# KiCad board panel.kicad_pcb (continued)
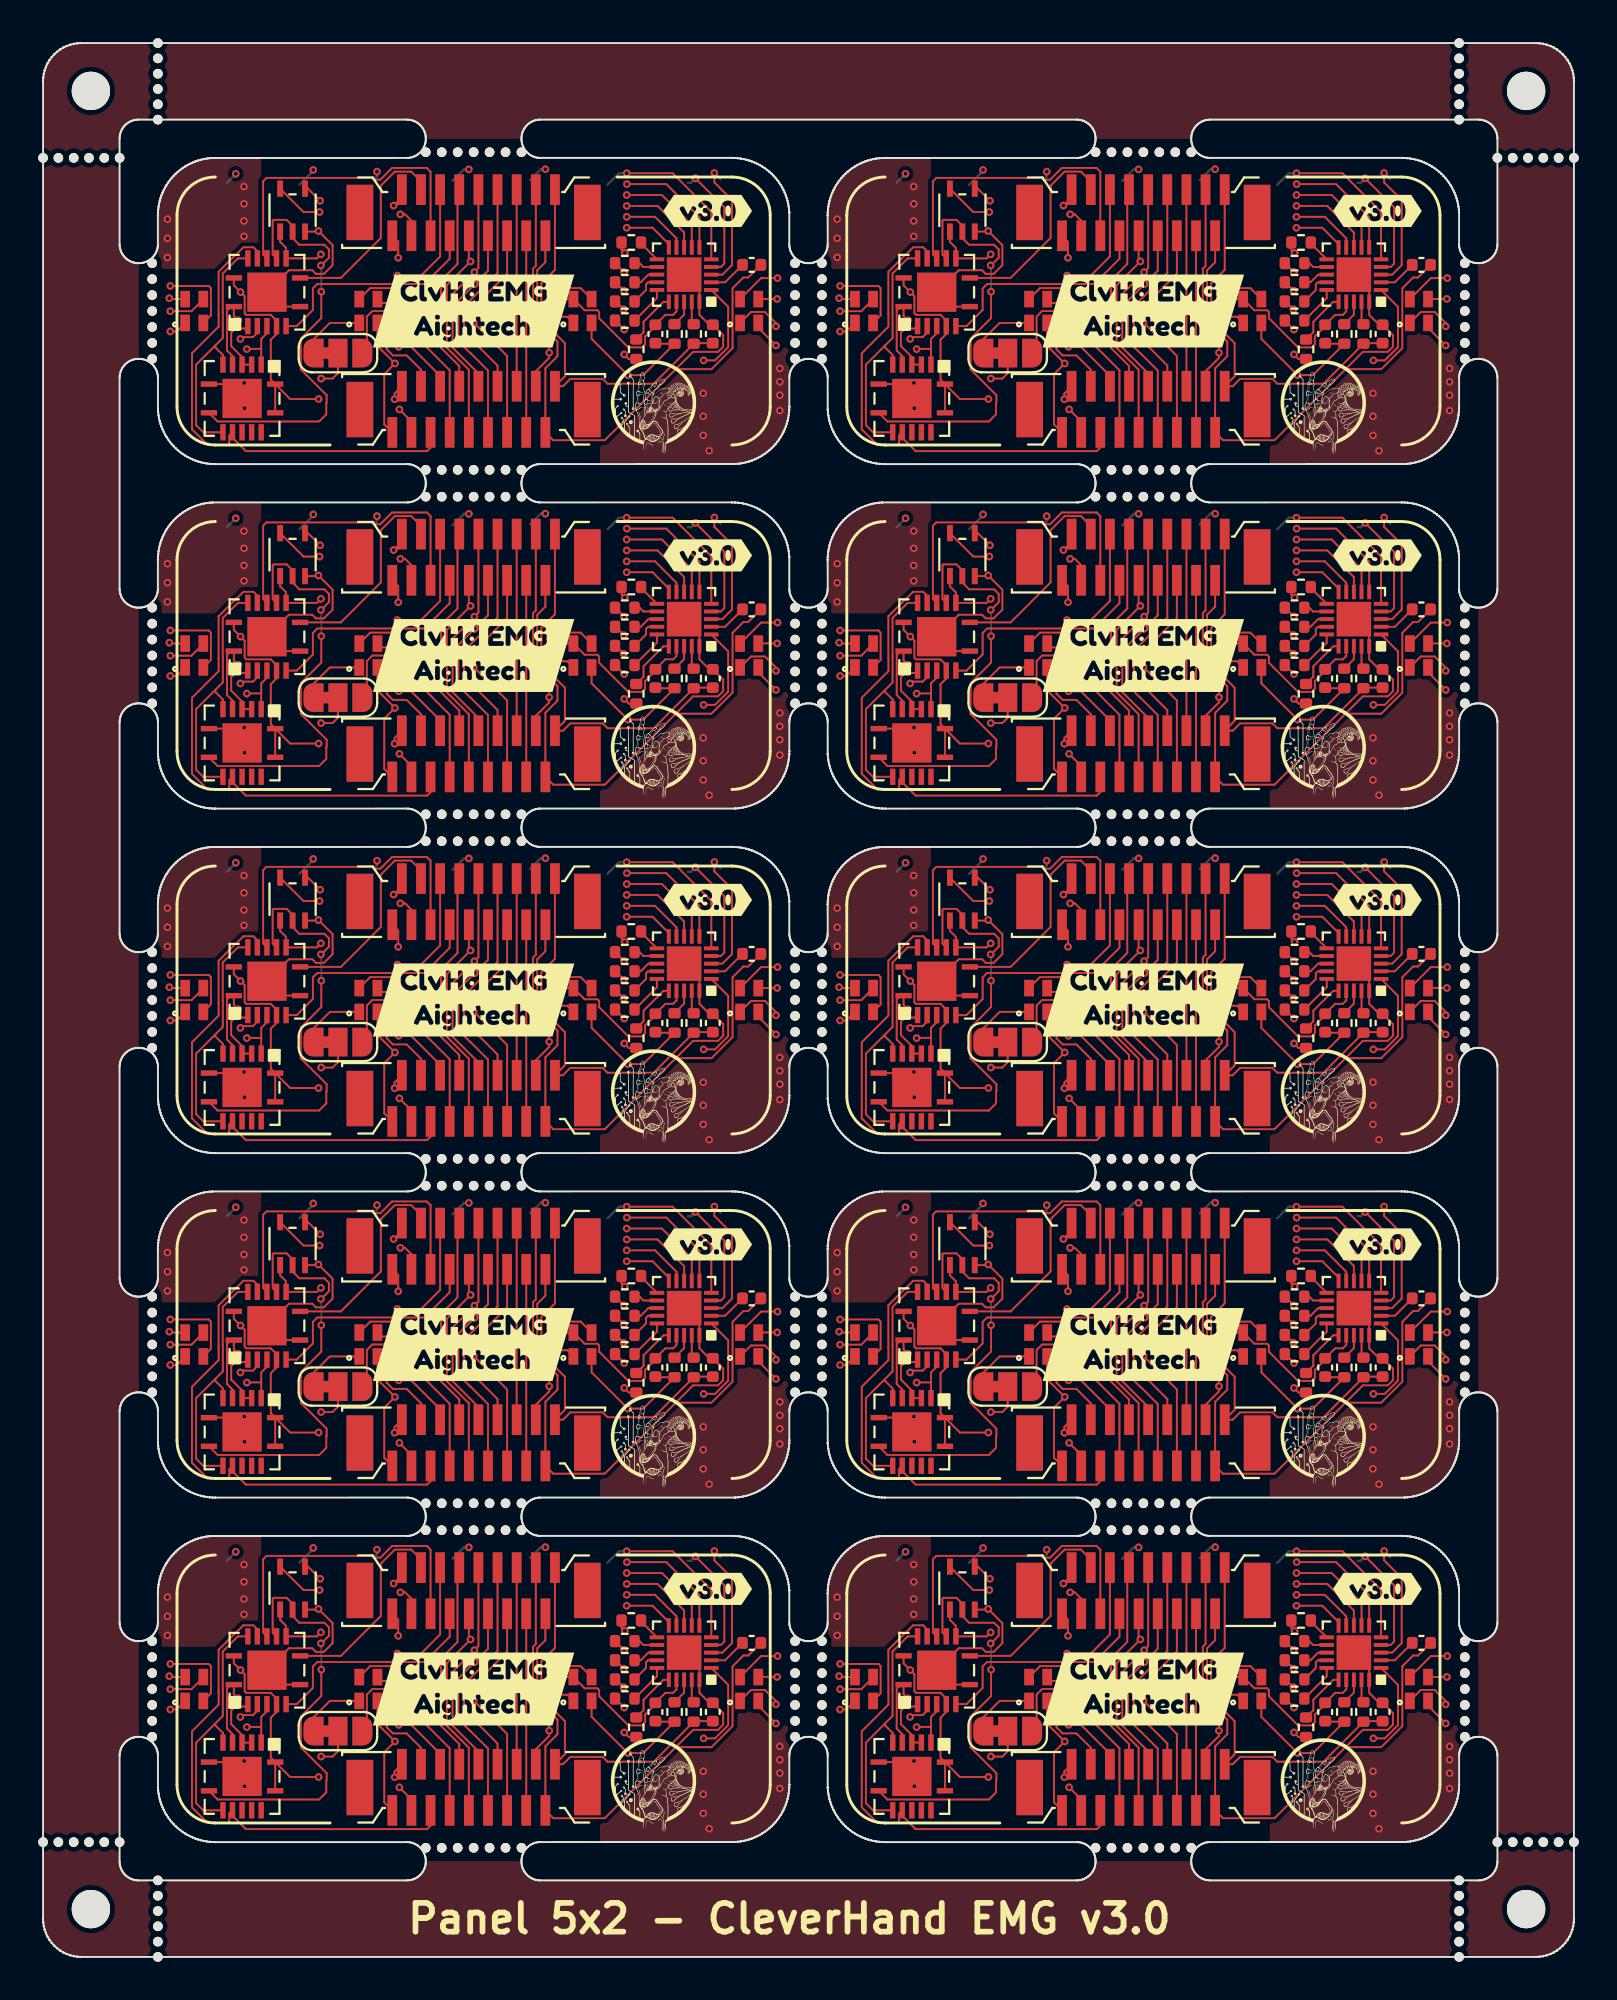
[diagram p0: board, top side]
## Routing (per net, layer and track width the routed paths; a pad name or vN(x,y) marks a point on that pad's centre or on a via; arc(x,y) is an arc through that point) (continued)
Board_5-+3.3VA: length 20.7
  Front w0.1: C1#2.2 69.03,48.32 R7#3.2 66.91,46.2 64.5,46.2 64.25,46.45 62.55,46.45 62.17,46.07 J1#10.18 62.27,46.59 62.27,48.32 61.04,49.55 61.04,51.44 61.75,52.15 J2#9.1
Board_5-/A0: length 17.8
  Front w0.1: J1#10.7 56.25,46.9 54.45,48.7 v1(53.43,48.7) ; 46.4,48.02 45.66,48.02 v1(45.65,48.01) ; 46.4,48.02 46.4,48.54 46.7,48.84 U2#10.4 ; 46.4,48.02 U4.2
  In2.Cu w0.1: v1(53.43,48.7) 51.45,48.7 50.85,48.1 45.74,48.1 v1(45.65,48.01)
Board_5-/A1: length 18.5
  Front w0.1: v1(53.59,48.13) 54.24,48.13 55.75,46.62 J1#10.6 ; v1(45.2,49.51) 44.97,49.74 U2#10.1 44.82,50.23 44.61,50.02 44.61,47.94 44.9,47.65 U4.5
  In2.Cu w0.1: v1(53.59,48.13) 52.04,48.13 51.31,47.4 45.39,47.4 44.88,47.91 44.88,49.19 v1(45.2,49.51)
Board_5-/A2: length 26.6
  Front w0.1: J1#10.5 55.25,42.86 55.07,42.68 45.6,42.68 44.9,43.38 U4.10 44.73,43.49 44.73,43.05 44.68,43 43.6,43 42.78,43.82 42.78,47.79 44.18,49.19 44.18,49.85 44.17,49.85 44.17,52.05 45.09,52.97 45.11,52.97 45.47,53.33 45.99,53.33 46.2,53.12 U2#10.12
Board_5-/A3: length 16.2
  Front w0.1: v1(53.63,49.28) 53.25,49.28 53.21,49.24 53.21,49.24 52.96,48.99 52.96,48 53.28,47.68 54,47.68 54.75,46.93 J1#10.4 ; v1(49.52,52.96) 49.31,52.75 U2#10.9 47.7,53.3 47.39,53.61 47.39,54.01
  In2.Cu w0.1: v1(53.63,49.28) 53.58,49.23 50.03,49.23 49.02,50.24 49.02,52.47 49.51,52.96 v1(49.52,52.96)
Board_5-/carry0: length 3.4
  Front w0.1: U2#10.2 45.58,49.09 45.05,49.09 44.83,48.87 44.83,48.17 45.4,47.6 U4.4 U4.3
Board_5-/carry1: length 12.9
  Front w0.1: 44,48.2 44.39,48.59 44.39,49.94 44.39,49.94 44.39,51.96 45.18,52.75 U2#10.13 ; 44,48.2 44,48.1 44.4,47.7 U4.6 ; 44,48.2 43,47.2 43,44.03 43.37,43.66 U4.9
Board_5-/carry2: length 22.5
  Front w0.1: U2#10.10 47,52.95 47,54.71 47.05,54.76 47.73,54.76 48.04,54.45 48.04,54.01 ; U4.8 44.12,44.23 49.43,44.23 49.8,44.6 49.8,45.21 49.82,45.23 49.82,45.6 48.47,46.95 48.47,48.56 49.54,49.63 v1(49.54,51.01) ; v1(49.52,52.38) 49.53,52.38 49.94,52.79 49.94,53.22 49.7,53.46 48.39,53.46 48.04,53.81 U5#10.2
  Back w0.1: v1(49.54,51.01) 49.54,52.36 v1(49.52,52.38)
Board_5-/CH0: length 6.9
  Front w0.1: U1#7.3 70.5,51.9 71,52.4 71,55.8 70.08,56.72 v1(70.08,57.21)
  Back w0.127: v1(70.08,57.21) 70.4,56.89
Board_5-/CH1: length 6.3
  Front w0.1: v1(69.09,56.93) 70.6,55.42 70.6,52.47 70.43,52.3 U1#7.4
  Back w0.127: 68.7,56.7 68.86,56.7 v1(69.09,56.93)
Board_5-/CH2: length 9
  Front w0.1: U1#7.5 69.92,55.18 67.9,57.2 v1(65.5,57.2)
  Back w0.127: 64.5,56.6 65.1,57.2 v1(65.5,57.2)
Board_5-/CH3: length 11.7
  Front w0.1: U1#7.6 69.3,54.9 67.57,56.63 v1(65.51,56.63)
  In2.Cu w0.1: v1(65.51,56.63) 65.48,56.6 62.06,56.6 v1(61.25,57.41)
  Back w0.127: 60.45,56.85 61.01,57.41 v1(61.25,57.41)
Board_5-/CH4: length 15.2
  Front w0.1: v1(65.5,56.06) 67.34,56.06 68.9,54.5 U1#7.7
  In2.Cu w0.1: v1(65.5,56.06) 65.44,56 61.67,56 60.21,57.46 57.31,57.46 v1(57.25,57.4)
  Back w0.127: v1(57.25,57.4) 57,57.4 56.4,56.8
Board_5-/CH5: length 18.6
  Front w0.1: v1(65.5,55.49) 67.11,55.49 68.5,54.1 U1#7.8
  In2.Cu w0.1: v1(65.5,55.49) 65.41,55.4 61.8,55.4 60.24,56.96 52.77,56.96 v1(52.45,57.28)
  Back w0.127: 52.39,56.97 52.45,57.03 v1(52.45,57.28)
Board_5-/CH6: length 22.1
  Front w0.1: v1(65.5,54.92) 66.98,54.92 68.1,53.8 U1#7.9
  In2.Cu w0.1: v1(65.5,54.92) 65.38,54.8 61.6,54.8 59.66,56.74 49.75,56.74 v1(49.12,57.37)
  Back w0.127: 48.4,56.6 49.12,57.32 v1(49.12,57.37)
Board_5-/CH7: length 25.2
  Front w0.1: v1(65.5,54.35) 66.85,54.35 67.7,53.5 U1#7.10
  In2.Cu w0.1: v1(65.5,54.35) 65.35,54.2 61.25,54.2 58.92,56.53 49.17,56.53 48.4,57.3 45.2,57.3 v1(45.07,57.17)
  Back w0.127: v1(45.07,57.17) 44.6,56.7
Board_5-/CH_REF: length 24.4
  Front w0.1: J1#10.16 60.75,46.85 61.45,47.55 v1(61.45,47.82) 61.45,48.52 60.61,49.37 60.61,52.21 60.75,52.36 J2#9.3 ; U1#7.1 70.8,50.22 70.8,48.11 70.11,47.42 v1(69.52,47.42)
  In2.Cu w0.1: v1(61.45,47.82) 62.19,47.08 69.18,47.08 v1(69.52,47.42)
Board_5-/cs_adc: length 19
  Front w0.1: R6#9.2 65.23,53.2 v1(65.4,53.03) ; v1(49.48,55.76) 48.85,56.39 U5#10.4
  In2.Cu w0.1: v1(65.4,53.03) 65.05,53.38 56.15,53.38 53.6,55.93 53.15,55.93 52.82,55.6 49.64,55.6 v1(49.48,55.76)
Board_5-/IRQ: length 20.4
  Front w0.1: J2#9.6 59.25,51.95 57.5,50.2 v1(57.5,49.4) 59.25,47.65 J1#10.13 ; v1(65.37,49.03) 64.9,49.5 R2#6.2
  In2.Cu w0.1: v1(65.37,49.03) 65.2,49.2 57.7,49.2 v1(57.5,49.4)
Board_5-/MCLK: length 20.6
  Front w0.1: v1(65.37,47.73) 65.61,47.49 R1#6.2 ; J1#10.12 58.75,47.15 v1(57.5,48.4) 57,48.9 57,50.24 58.75,51.99 J2#9.7
  In2.Cu w0.1: v1(65.37,47.73) 64.7,48.4 v1(57.5,48.4)
Board_5-/NEO_IN: length 17.9
  Front w0.1: v1(53.62,44.86) 54.25,44.23 J1#10.3 ; D1#5.1 41.98,48.93 v1(41.65,48.93)
  In2.Cu w0.1: v1(41.65,48.93) 42.22,48.93 48.43,42.72 51.48,42.72 v1(53.62,44.86)
Board_5-/NEO_OUT: length 34.6
  Front w0.1: v1(53.67,55.05) 53.92,55.05 54.25,54.72 J2#9.16 ; JP1#3.3 51.92,48.01 51.92,49.71 52.21,50 53.03,50 53.19,49.84 v1(53.41,49.84) ; v1(73.36,50.63) 72.38,50.63 D4#7.3
  In2.Cu w0.1: v1(53.41,49.84) 52.96,50.29 52.96,51.27 53.1,51.41 54.1,51.41 54.49,51.8 54.49,54.23 v1(53.67,55.05) 55.53,53.19 63.54,53.19 64.16,52.57 65.97,52.57 67.89,50.65 73.34,50.65 v1(73.36,50.63)
Board_5-/S0: length 11.9
  Front w0.1: U2#10.6 48.26,49.21 49.1,50.05 49.1,51.18 49.33,51.41 54.93,51.41 56.25,52.73 J2#9.12
Board_5-/S1: length 19.1
  Front w0.1: v1(53.51,51.85) 54.75,51.85 55.75,52.85 J2#9.13 ; v1(45.31,48.54) 45.41,48.64 45.97,48.64 46.2,48.87 U2#10.3
  In2.Cu w0.1: v1(53.51,51.85) 51.97,53.39 49.1,53.39 46.15,50.44 46.15,49.1 45.59,48.54 v1(45.31,48.54)
Board_5-/S2: length 16.7
  Front w0.1: J2#9.14 55.25,57.28 55.05,57.47 53.24,57.47 52.62,56.86 52.28,56.86 52.18,56.95 46.67,56.95 46.5,56.78 46.5,52.95 U2#10.11
Board_5-/S3: length 10.9
  Front w0.1: J2#9.15 54.75,56.77 54.24,57.28 53.38,57.28 52.65,56.55 52.65,53.82 50.56,51.73 U2#10.8
Board_5-/SCK: length 20.2
  Front w0.1: v1(65.36,52.04) 64.9,52.5 R5#4.2 ; J2#9.10 57.25,52.68 v1(57.34,52.59) 56.1,51.35 56.1,48.08 57.25,46.93 J1#10.9
  In2.Cu w0.1: v1(57.34,52.59) 57.37,52.56 63.34,52.56 63.86,52.04 v1(65.36,52.04)
Board_5-/SDI: length 20.2
  Front w0.1: J2#9.9 57.75,52.24 v1(57.54,52.03) 56.4,50.89 56.4,48.09 57.75,46.74 J1#10.10 ; R4#10.2 64.91,51.5 v1(65.35,51.06)
  In2.Cu w0.1: v1(57.54,52.03) 63.37,52.03 64.34,51.06 v1(65.35,51.06)
Board_5-/SDO: length 20.5
  Front w0.1: J1#10.11 58.25,46.89 57.34,47.8 57.33,47.8 56.7,48.43 56.7,50.55 v1(57.56,51.41) 58.25,52.1 J2#9.8 ; v1(65.34,50.09) 64.93,50.5 R3#8.2
  In2.Cu w0.1: v1(57.56,51.41) 62.72,51.41 64.04,50.09 v1(65.34,50.09)
Board_5-GND: length 29.1
  Front w0.1: U4.15 45.4,46.13 v1(45.51,46.24) ; U4.15 44.65,46.18 U4.7 ; U4.15 45.4,45.05 v1(45.53,44.92) ; v1(73.38,51.72) 72.52,51.72 71.42,50.62 ; v1(53.5,50.99) 53.3,51.19 52.1,51.19 D2#8.4 ; v1(61.5,50.3) 61.82,50.62 62.72,50.62 63.3,50.04 63.97,50.04 64.06,49.95 64.06,49.62 65.58,48.1 66.3,48.1 66.46,48.26 66.46,48.67 67,49.21 C2#7.2 67.52,49.8 67.93,49.8 68.1,49.97 U1#7.17 ; D1#5.4 41.64,50.62 v1(41.6,50.67) ; J1#10.2 53.37,45.69 v1(53.37,45.39) ; U5#10.3 49.36,54.15 v1(49.39,54.18) 50.13,53.44 50.13,52.4 49.67,51.94 49.26,51.94 49.07,52.13 47.85,52.13 U2#10.15 47.45,50.23 48.11,50.23 ; v1(53.32,55.51) 53.75,55.94 J2#9.17
  vias: v1(41.5,54.8) v1(41.5,53.8) v1(41.5,52.8) v1(45.5,56.5) v1(45.5,55.6) v1(45.5,54.7) v1(45.5,53.9) v1(69.5,45.7) v1(69.5,44.5) v1(69.5,43.5) v1(69.81,42.7) v1(73.5,47) v1(73.5,46.3) v1(73.5,45.6) v1(73.5,44.8)
Board_5-GNDA: length 35.9
  Front w0.1: J2#9.2 61.25,52.55 60.82,52.12 60.82,49.46 61.88,48.4 61.88,47.64 61.25,47.01 J1#10.17 61.66,43.25 64.35,43.25 68.97,47.87 70.27,47.87 70.54,48.13 70.54,48.74 C1#2.1 69.82,49.28 69.3,49.8 U1#7.20 69.3,51.1 U1#7.21 ; 68.08,46.96 69.93,46.96 71.03,48.06 71.03,51.19 71.6,51.75 71.85,51.75 C3#9.2
Board_5-Net-(D1-Pad3): length 13.4
  Front w0.1: v1(41.65,49.99) 42.76,49.99 43.38,50.61 D1#5.3 ; JP1#3.2 50.41,46.75 50.13,46.47 v1(49.53,46.47)
  In2.Cu w0.1: v1(41.65,49.99) 44.98,46.66 49.34,46.66 v1(49.53,46.47)
Board_5-Net-(D2-Pad1): length 3.5
  Front w0.1: JP1#3.1 49.11,48.5 49.99,49.38 D2#8.1
Board_5-Net-(D2-Pad3): length 10.8
  Front w0.1: v1(61.5,49.7) 62.39,49.7 62.72,49.38 ; v1(53.61,50.42) 52.68,50.42 D2#8.3
  In2.Cu w0.1: v1(61.5,49.7) 61.2,50 54.03,50 v1(53.61,50.42)
Board_5-Net-(D3-Pad3): length 18.2
  Front w0.1: 71.42,49.38 72,49.95 72.72,49.95 73.3,49.37 v1(73.3,49.2) ; D3#10.3 63.09,51.19 61.79,51.19 v1(61.5,50.9)
  In2.Cu w0.1: v1(61.5,50.9) 62.88,49.52 66.14,49.52 66.98,50.36 72.14,50.36 v1(73.3,49.2)
Board_5-Net-(J1-Pad8): length 11.1
  Front w0.1: J1#10.8 56.75,47.12 55.8,48.07 55.8,51.6 56.66,52.46 56.66,56.25 J2#9.11
Board_5-Net-(J1-Pad14): length 10.3
  Front w0.1: J1#10.14 J2#9.5
Board_5-Net-(J1-Pad15): length 10.3
  Front w0.1: J1#10.15 J2#9.4
Board_5-Net-(R1-Pad1): length 2.8
  Front w0.1: R1#6.1 66.38,48.89 66.38,49.44 67.42,50.48 U1#7.16
Board_5-Net-(R2-Pad1): length 2.1
  Front w0.1: R2#6.1 67.08,50.67 U1#7.15
Board_5-Net-(R3-Pad1): length 1.8
  Front w0.1: U1#7.14 66.62,51.5 66.51,51.39 66.51,51.1 R3#8.1
Board_5-Net-(R4-Pad1): length 1.3
  Front w0.1: R4#10.1 66.23,51.5 66.63,51.9 U1#7.13
Board_5-Net-(R5-Pad1): length 1.3
  Front w0.1: U1#7.12 66.37,52.3 66.17,52.5 R5#4.1
Board_5-Net-(R6-Pad1): length 1.2
  Front w0.1: U1#7.11 66.25,53.53 R6#9.1
Board_5-Net-(R7-Pad1): length 1.2
  Front w0.1: R7#3.1 68.9,49.41 U1#7.19
Board_5-Net-(R8-Pad1): length 1.4
  Front w0.1: U1#7.18 68.5,49.81 R8#6.1
Board_5-Net-(U1-Pad2): length 2
  Front w0.1: U1#7.2 70.64,51.5 C3#9.1
Board_6-+3.3V: length 77.7
  Front w0.1: v1(14.45,37.17) 13.61,37.17 U5#7.5 ; U4#3.1 U4#3.14 ; U4#3.1 12.91,27.4 v1(14.4,27.4) ; U4#3.1 11.9,28.41 11.9,30.5 12.2,30.8 12.2,31.5 11.9,31.8 10.62,31.8 10.53,31.88 10.53,32.78 v1(10.32,32.99) 9.97,33.34 U2#5.14 ; D2#5.2 17.48,30.17 v1(18.39,29.26) 17.83,28.7 17.83,26.08 J1#7.1 ; J2#5.18 18.56,35.62 v1(18.56,34.78) ; v1(38.3,30.2) 37.35,31.15 37.35,31.35 ; C2#3.1 32.03,30.29 R8#2.2 31.36,28.65 v1(30.56,28.65) 28.66,30.55 28.66,31.38 ; D1.2 8.77,31.77 8.77,33.19 8.66,33.31 v1(6.65,33.31)
  In2.Cu w0.1: v1(14.4,27.4) 16.53,27.4 v1(18.39,29.26) 18.39,28.09 19.36,27.12 29.3,27.12 30.56,28.38 v1(30.56,28.65) 30.58,28.63 36.73,28.63 v1(38.3,30.2) ; v1(6.65,33.31) 10,33.31 v1(10.32,32.99) 10.32,33.04 v1(14.45,37.17) 16.17,37.17 v1(18.56,34.78)
Board_6-+3.3VA: length 20.7
  Front w0.1: C1#10.2 34.03,30.32 R7#6.2 31.91,28.2 29.5,28.2 29.25,28.45 27.55,28.45 27.17,28.07 J1#7.18 27.27,28.59 27.27,30.32 26.04,31.55 26.04,33.44 26.75,34.15 J2#5.1
Board_6-/A0: length 17.8
  Front w0.1: J1#7.7 21.25,28.9 19.45,30.7 v1(18.43,30.7) ; 11.4,30.02 10.66,30.02 v1(10.65,30.01) ; 11.4,30.02 11.4,30.54 11.7,30.84 U2#5.4 ; 11.4,30.02 U4#3.2
  In2.Cu w0.1: v1(18.43,30.7) 16.45,30.7 15.85,30.1 10.74,30.1 v1(10.65,30.01)
Board_6-/A1: length 18.5
  Front w0.1: v1(18.59,30.13) 19.24,30.13 20.75,28.62 J1#7.6 ; v1(10.2,31.51) 9.97,31.74 U2#5.1 9.82,32.23 9.61,32.02 9.61,29.94 9.9,29.65 U4#3.5
  In2.Cu w0.1: v1(18.59,30.13) 17.04,30.13 16.31,29.4 10.39,29.4 9.88,29.91 9.88,31.19 v1(10.2,31.51)
Board_6-/A2: length 26.6
  Front w0.1: J1#7.5 20.25,24.86 20.07,24.68 10.6,24.68 9.9,25.38 U4#3.10 9.73,25.49 9.73,25.05 9.68,25 8.6,25 7.78,25.82 7.78,29.79 9.18,31.19 9.18,31.85 9.17,31.85 9.17,34.05 10.09,34.97 10.11,34.97 10.47,35.33 10.99,35.33 11.2,35.12 U2#5.12
Board_6-/A3: length 16.2
  Front w0.1: v1(18.63,31.28) 18.25,31.28 18.21,31.24 18.21,31.24 17.96,30.99 17.96,30 18.28,29.68 19,29.68 19.75,28.93 J1#7.4 ; v1(14.52,34.96) 14.31,34.75 U2#5.9 12.7,35.3 12.39,35.61 12.39,36.01
  In2.Cu w0.1: v1(18.63,31.28) 18.58,31.23 15.03,31.23 14.02,32.24 14.02,34.47 14.51,34.96 v1(14.52,34.96)
Board_6-/carry0: length 3.4
  Front w0.1: U2#5.2 10.58,31.09 10.05,31.09 9.83,30.87 9.83,30.17 10.4,29.6 U4#3.4 U4#3.3
Board_6-/carry1: length 12.9
  Front w0.1: 9,30.2 9.39,30.59 9.39,31.94 9.39,31.94 9.39,33.96 10.18,34.75 U2#5.13 ; 9,30.2 9,30.1 9.4,29.7 U4#3.6 ; 9,30.2 8,29.2 8,26.03 8.37,25.66 U4#3.9
Board_6-/carry2: length 22.5
  Front w0.1: U2#5.10 12,34.95 12,36.71 12.05,36.76 12.73,36.76 13.04,36.45 13.04,36.01 ; U4#3.8 9.12,26.23 14.43,26.23 14.8,26.6 14.8,27.21 14.82,27.23 14.82,27.6 13.47,28.95 13.47,30.56 14.54,31.63 v1(14.54,33.01) ; v1(14.52,34.38) 14.53,34.38 14.94,34.79 14.94,35.22 14.7,35.46 13.39,35.46 13.04,35.81 U5#7.2
  Back w0.1: v1(14.54,33.01) 14.54,34.36 v1(14.52,34.38)
Board_6-/CH0: length 6.9
  Front w0.1: U1#8.3 35.5,33.9 36,34.4 36,37.8 35.08,38.72 v1(35.08,39.21)
  Back w0.127: v1(35.08,39.21) 35.4,38.89
Board_6-/CH1: length 6.3
  Front w0.1: v1(34.09,38.93) 35.6,37.42 35.6,34.47 35.43,34.3 U1#8.4
  Back w0.127: 33.7,38.7 33.86,38.7 v1(34.09,38.93)
Board_6-/CH2: length 9
  Front w0.1: U1#8.5 34.92,37.18 32.9,39.2 v1(30.5,39.2)
  Back w0.127: 29.5,38.6 30.1,39.2 v1(30.5,39.2)
Board_6-/CH3: length 11.7
  Front w0.1: U1#8.6 34.3,36.9 32.57,38.63 v1(30.51,38.63)
  In2.Cu w0.1: v1(30.51,38.63) 30.48,38.6 27.06,38.6 v1(26.25,39.41)
  Back w0.127: 25.45,38.85 26.01,39.41 v1(26.25,39.41)
Board_6-/CH4: length 15.2
  Front w0.1: v1(30.5,38.06) 32.34,38.06 33.9,36.5 U1#8.7
  In2.Cu w0.1: v1(30.5,38.06) 30.44,38 26.67,38 25.21,39.46 22.31,39.46 v1(22.25,39.4)
  Back w0.127: v1(22.25,39.4) 22,39.4 21.4,38.8
Board_6-/CH5: length 18.6
  Front w0.1: v1(30.5,37.49) 32.11,37.49 33.5,36.1 U1#8.8
  In2.Cu w0.1: v1(30.5,37.49) 30.41,37.4 26.8,37.4 25.24,38.96 17.77,38.96 v1(17.45,39.28)
  Back w0.127: 17.39,38.97 17.45,39.03 v1(17.45,39.28)
Board_6-/CH6: length 22.1
  Front w0.1: v1(30.5,36.92) 31.98,36.92 33.1,35.8 U1#8.9
  In2.Cu w0.1: v1(30.5,36.92) 30.38,36.8 26.6,36.8 24.66,38.74 14.75,38.74 v1(14.12,39.37)
  Back w0.127: 13.4,38.6 14.12,39.32 v1(14.12,39.37)
Board_6-/CH7: length 25.2
  Front w0.1: v1(30.5,36.35) 31.85,36.35 32.7,35.5 U1#8.10
  In2.Cu w0.1: v1(30.5,36.35) 30.35,36.2 26.25,36.2 23.92,38.53 14.17,38.53 13.4,39.3 10.2,39.3 v1(10.07,39.17)
  Back w0.127: v1(10.07,39.17) 9.6,38.7
Board_6-/CH_REF: length 24.4
  Front w0.1: J1#7.16 25.75,28.85 26.45,29.55 v1(26.45,29.82) 26.45,30.52 25.61,31.37 25.61,34.21 25.75,34.36 J2#5.3 ; U1#8.1 35.8,32.22 35.8,30.11 35.11,29.42 v1(34.52,29.42)
  In2.Cu w0.1: v1(26.45,29.82) 27.19,29.08 34.18,29.08 v1(34.52,29.42)
Board_6-/cs_adc: length 19
  Front w0.1: R6#6.2 30.23,35.2 v1(30.4,35.03) ; v1(14.48,37.76) 13.85,38.39 U5#7.4
  In2.Cu w0.1: v1(30.4,35.03) 30.05,35.38 21.15,35.38 18.6,37.93 18.15,37.93 17.82,37.6 14.64,37.6 v1(14.48,37.76)
Board_6-/IRQ: length 20.4
  Front w0.1: J2#5.6 24.25,33.95 22.5,32.2 v1(22.5,31.4) 24.25,29.65 J1#7.13 ; v1(30.37,31.03) 29.9,31.5 R2#9.2
  In2.Cu w0.1: v1(30.37,31.03) 30.2,31.2 22.7,31.2 v1(22.5,31.4)
Board_6-/MCLK: length 20.6
  Front w0.1: v1(30.37,29.73) 30.61,29.49 R1#2.2 ; J1#7.12 23.75,29.15 v1(22.5,30.4) 22,30.9 22,32.24 23.75,33.99 J2#5.7
  In2.Cu w0.1: v1(30.37,29.73) 29.7,30.4 v1(22.5,30.4)
Board_6-/NEO_IN: length 17.9
  Front w0.1: v1(18.62,26.86) 19.25,26.23 J1#7.3 ; 7.42,31.38 6.98,30.93 v1(6.65,30.93)
  In2.Cu w0.1: v1(6.65,30.93) 7.22,30.93 13.43,24.72 16.48,24.72 v1(18.62,26.86)
Board_6-/NEO_OUT: length 34.6
  Front w0.1: v1(18.67,37.05) 18.92,37.05 19.25,36.72 J2#5.16 ; JP1#6.3 16.92,30.01 16.92,31.71 17.21,32 18.03,32 18.19,31.84 v1(18.41,31.84) ; v1(38.36,32.63) 37.38,32.63 D4#5.3
  In2.Cu w0.1: v1(18.41,31.84) 17.96,32.29 17.96,33.27 18.1,33.41 19.1,33.41 19.49,33.8 19.49,36.23 v1(18.67,37.05) 20.53,35.19 28.54,35.19 29.16,34.57 30.97,34.57 32.89,32.65 38.34,32.65 v1(38.36,32.63)
Board_6-/S0: length 11.9
  Front w0.1: U2#5.6 13.26,31.21 14.1,32.05 14.1,33.18 14.33,33.41 19.93,33.41 21.25,34.73 J2#5.12
Board_6-/S1: length 19.1
  Front w0.1: v1(18.51,33.85) 19.75,33.85 20.75,34.85 J2#5.13 ; v1(10.31,30.54) 10.41,30.64 10.97,30.64 11.2,30.87 U2#5.3
  In2.Cu w0.1: v1(18.51,33.85) 16.97,35.39 14.1,35.39 11.15,32.44 11.15,31.1 10.59,30.54 v1(10.31,30.54)
Board_6-/S2: length 16.7
  Front w0.1: J2#5.14 20.25,39.28 20.05,39.47 18.24,39.47 17.62,38.86 17.28,38.86 17.18,38.95 11.67,38.95 11.5,38.78 11.5,34.95 U2#5.11
Board_6-/S3: length 10.9
  Front w0.1: J2#5.15 19.75,38.77 19.24,39.28 18.38,39.28 17.65,38.55 17.65,35.82 15.56,33.73 U2#5.8
Board_6-/SCK: length 20.2
  Front w0.1: v1(30.36,34.04) 29.9,34.5 R5#6.2 ; J2#5.10 22.25,34.68 v1(22.34,34.59) 21.1,33.35 21.1,30.08 22.25,28.93 J1#7.9
  In2.Cu w0.1: v1(22.34,34.59) 22.37,34.56 28.34,34.56 28.86,34.04 v1(30.36,34.04)
Board_6-/SDI: length 20.2
  Front w0.1: J2#5.9 22.75,34.24 v1(22.54,34.03) 21.4,32.89 21.4,30.09 22.75,28.74 J1#7.10 ; R4#7.2 29.91,33.5 v1(30.35,33.06)
  In2.Cu w0.1: v1(22.54,34.03) 28.37,34.03 29.34,33.06 v1(30.35,33.06)
Board_6-/SDO: length 20.5
  Front w0.1: J1#7.11 23.25,28.89 22.34,29.8 22.33,29.8 21.7,30.43 21.7,32.55 v1(22.56,33.41) 23.25,34.1 J2#5.8 ; v1(30.34,32.09) 29.93,32.5 R3#5.2
  In2.Cu w0.1: v1(22.56,33.41) 27.72,33.41 29.04,32.09 v1(30.34,32.09)
Board_6-GND: length 29.1
  Front w0.1: U4#3.15 10.4,28.13 v1(10.51,28.24) ; U4#3.15 9.65,28.18 U4#3.7 ; U4#3.15 10.4,27.05 v1(10.53,26.92) ; v1(38.38,33.72) 37.52,33.72 D4#5.4 ; v1(18.5,32.99) 18.3,33.19 17.1,33.19 D2#5.4 ; v1(26.5,32.3) 26.82,32.62 D3#9.4 28.3,32.04 28.97,32.04 29.06,31.95 29.06,31.62 30.58,30.1 31.3,30.1 31.46,30.26 31.46,30.67 32,31.21 C2#3.2 32.52,31.8 32.93,31.8 33.1,31.97 U1#8.17 ; 7.42,32.62 6.64,32.62 v1(6.6,32.67) ; J1#7.2 18.37,27.69 v1(18.37,27.39) ; U5#7.3 14.36,36.15 v1(14.39,36.18) 15.13,35.44 15.13,34.4 14.67,33.94 14.26,33.94 14.07,34.13 12.85,34.13 U2#5.15 12.45,32.23 13.11,32.23 ; v1(18.32,37.51) 18.75,37.94 J2#5.17
  vias: v1(6.5,36.8) v1(6.5,35.8) v1(6.5,34.8) v1(10.5,38.5) v1(10.5,37.6) v1(10.5,36.7) v1(10.5,35.9) v1(34.5,27.7) v1(34.5,26.5) v1(34.5,25.5) v1(34.81,24.7) v1(38.5,29) v1(38.5,28.3) v1(38.5,27.6) v1(38.5,26.8)
Board_6-GNDA: length 35.9
  Front w0.1: J2#5.2 26.25,34.55 25.82,34.12 25.82,31.46 26.88,30.4 26.88,29.64 26.25,29.01 J1#7.17 26.66,25.25 29.35,25.25 33.97,29.87 35.27,29.87 35.54,30.13 35.54,30.74 C1#10.1 34.82,31.28 34.3,31.8 U1#8.20 34.3,33.1 U1#8.21 ; 33.08,28.96 34.93,28.96 36.03,30.06 36.03,33.19 36.6,33.75 36.85,33.75 C3#8.2
Board_6-Net-(D1-Pad3): length 13.4
  Front w0.1: v1(6.65,31.99) 7.76,31.99 8.38,32.61 D1.3 ; JP1#6.2 15.41,28.75 15.13,28.47 v1(14.53,28.47)
  In2.Cu w0.1: v1(6.65,31.99) 9.98,28.66 14.34,28.66 v1(14.53,28.47)
Board_6-Net-(D2-Pad1): length 3.5
  Front w0.1: JP1#6.1 14.11,30.5 14.99,31.38 D2#5.1
Board_6-Net-(D2-Pad3): length 10.8
  Front w0.1: v1(26.5,31.7) 27.39,31.7 D3#9.1 ; v1(18.61,32.42) 17.68,32.42 D2#5.3
  In2.Cu w0.1: v1(26.5,31.7) 26.2,32 19.03,32 v1(18.61,32.42)
Board_6-Net-(D3-Pad3): length 18.2
  Front w0.1: D4#5.1 37,31.95 37.72,31.95 38.3,31.37 v1(38.3,31.2) ; 28.66,32.62 28.09,33.19 26.79,33.19 v1(26.5,32.9)
  In2.Cu w0.1: v1(26.5,32.9) 27.88,31.52 31.14,31.52 31.98,32.36 37.14,32.36 v1(38.3,31.2)
Board_6-Net-(J1-Pad8): length 11.1
  Front w0.1: J1#7.8 21.75,29.12 20.8,30.07 20.8,33.6 21.66,34.46 21.66,38.25 J2#5.11
Board_6-Net-(J1-Pad14): length 10.3
  Front w0.1: J1#7.14 J2#5.5
Board_6-Net-(J1-Pad15): length 10.3
  Front w0.1: J1#7.15 J2#5.4
Board_6-Net-(R1-Pad1): length 2.8
  Front w0.1: R1#2.1 31.38,30.89 31.38,31.44 32.42,32.48 U1#8.16
Board_6-Net-(R2-Pad1): length 2.1
  Front w0.1: R2#9.1 32.08,32.67 U1#8.15
Board_6-Net-(R3-Pad1): length 1.8
  Front w0.1: U1#8.14 31.62,33.5 31.51,33.39 31.51,33.1 R3#5.1
Board_6-Net-(R4-Pad1): length 1.3
  Front w0.1: R4#7.1 31.23,33.5 31.63,33.9 U1#8.13
Board_6-Net-(R5-Pad1): length 1.3
  Front w0.1: U1#8.12 31.37,34.3 31.17,34.5 R5#6.1
Board_6-Net-(R6-Pad1): length 1.2
  Front w0.1: U1#8.11 31.25,35.53 R6#6.1
Board_6-Net-(R7-Pad1): length 1.2
  Front w0.1: R7#6.1 33.9,31.41 U1#8.19
Board_6-Net-(R8-Pad1): length 1.4
  Front w0.1: U1#8.18 33.5,31.81 R8#2.1
Board_6-Net-(U1-Pad2): length 2
  Front w0.1: U1#8.2 35.64,33.5 C3#8.1
Board_7-+3.3V: length 77.7
  Front w0.1: v1(49.45,37.17) 48.61,37.17 U5#8.5 ; U4#5.1 U4#5.14 ; U4#5.1 47.91,27.4 v1(49.4,27.4) ; U4#5.1 46.9,28.41 46.9,30.5 47.2,30.8 47.2,31.5 46.9,31.8 45.62,31.8 45.53,31.88 45.53,32.78 v1(45.32,32.99) 44.97,33.34 U2#9.14 ; D2#4.2 52.48,30.17 v1(53.39,29.26) 52.83,28.7 52.83,26.08 J1#8.1 ; J2#10.18 53.56,35.62 v1(53.56,34.78) ; v1(73.3,30.2) 72.35,31.15 72.35,31.35 ; C2#4.1 67.03,30.29 R8#9.2 66.36,28.65 v1(65.56,28.65) 63.66,30.55 D3#4.2 ; D1#8.2 43.77,31.77 43.77,33.19 43.66,33.31 v1(41.65,33.31)
  In2.Cu w0.1: v1(49.4,27.4) 51.53,27.4 v1(53.39,29.26) 53.39,28.09 54.36,27.12 64.3,27.12 65.56,28.38 v1(65.56,28.65) 65.58,28.63 71.73,28.63 v1(73.3,30.2) ; v1(41.65,33.31) 45,33.31 v1(45.32,32.99) 45.32,33.04 v1(49.45,37.17) 51.17,37.17 v1(53.56,34.78)
Board_7-+3.3VA: length 20.7
  Front w0.1: C1#3.2 69.03,30.32 R7#10.2 66.91,28.2 64.5,28.2 64.25,28.45 62.55,28.45 62.17,28.07 J1#8.18 62.27,28.59 62.27,30.32 61.04,31.55 61.04,33.44 61.75,34.15 J2#10.1
Board_7-/A0: length 17.8
  Front w0.1: J1#8.7 56.25,28.9 54.45,30.7 v1(53.43,30.7) ; 46.4,30.02 45.66,30.02 v1(45.65,30.01) ; 46.4,30.02 46.4,30.54 46.7,30.84 U2#9.4 ; 46.4,30.02 U4#5.2
  In2.Cu w0.1: v1(53.43,30.7) 51.45,30.7 50.85,30.1 45.74,30.1 v1(45.65,30.01)
Board_7-/A1: length 18.5
  Front w0.1: v1(53.59,30.13) 54.24,30.13 55.75,28.62 J1#8.6 ; v1(45.2,31.51) 44.97,31.74 U2#9.1 44.82,32.23 44.61,32.02 44.61,29.94 44.9,29.65 U4#5.5
  In2.Cu w0.1: v1(53.59,30.13) 52.04,30.13 51.31,29.4 45.39,29.4 44.88,29.91 44.88,31.19 v1(45.2,31.51)
Board_7-/A2: length 26.6
  Front w0.1: J1#8.5 55.25,24.86 55.07,24.68 45.6,24.68 44.9,25.38 U4#5.10 44.73,25.49 44.73,25.05 44.68,25 43.6,25 42.78,25.82 42.78,29.79 44.18,31.19 44.18,31.85 44.17,31.85 44.17,34.05 45.09,34.97 45.11,34.97 45.47,35.33 45.99,35.33 46.2,35.12 U2#9.12
Board_7-/A3: length 16.2
  Front w0.1: v1(53.63,31.28) 53.25,31.28 53.21,31.24 53.21,31.24 52.96,30.99 52.96,30 53.28,29.68 54,29.68 54.75,28.93 J1#8.4 ; v1(49.52,34.96) 49.31,34.75 U2#9.9 47.7,35.3 47.39,35.61 47.39,36.01
  In2.Cu w0.1: v1(53.63,31.28) 53.58,31.23 50.03,31.23 49.02,32.24 49.02,34.47 49.51,34.96 v1(49.52,34.96)
Board_7-/carry0: length 3.4
  Front w0.1: U2#9.2 45.58,31.09 45.05,31.09 44.83,30.87 44.83,30.17 45.4,29.6 U4#5.4 U4#5.3
Board_7-/carry1: length 12.9
  Front w0.1: 44,30.2 44.39,30.59 44.39,31.94 44.39,31.94 44.39,33.96 45.18,34.75 U2#9.13 ; 44,30.2 44,30.1 44.4,29.7 U4#5.6 ; 44,30.2 43,29.2 43,26.03 43.37,25.66 U4#5.9
Board_7-/carry2: length 22.5
  Front w0.1: U2#9.10 47,34.95 47,36.71 47.05,36.76 47.73,36.76 48.04,36.45 48.04,36.01 ; U4#5.8 44.12,26.23 49.43,26.23 49.8,26.6 49.8,27.21 49.82,27.23 49.82,27.6 48.47,28.95 48.47,30.56 49.54,31.63 v1(49.54,33.01) ; v1(49.52,34.38) 49.53,34.38 49.94,34.79 49.94,35.22 49.7,35.46 48.39,35.46 48.04,35.81 U5#8.2
  Back w0.1: v1(49.54,33.01) 49.54,34.36 v1(49.52,34.38)
Board_7-/CH0: length 6.9
  Front w0.1: U1#3.3 70.5,33.9 71,34.4 71,37.8 70.08,38.72 v1(70.08,39.21)
  Back w0.127: v1(70.08,39.21) 70.4,38.89
Board_7-/CH1: length 6.3
  Front w0.1: v1(69.09,38.93) 70.6,37.42 70.6,34.47 70.43,34.3 U1#3.4
  Back w0.127: 68.7,38.7 68.86,38.7 v1(69.09,38.93)
Board_7-/CH2: length 9
  Front w0.1: U1#3.5 69.92,37.18 67.9,39.2 v1(65.5,39.2)
  Back w0.127: 64.5,38.6 65.1,39.2 v1(65.5,39.2)
Board_7-/CH3: length 11.7
  Front w0.1: U1#3.6 69.3,36.9 67.57,38.63 v1(65.51,38.63)
  In2.Cu w0.1: v1(65.51,38.63) 65.48,38.6 62.06,38.6 v1(61.25,39.41)
  Back w0.127: 60.45,38.85 61.01,39.41 v1(61.25,39.41)
Board_7-/CH4: length 15.2
  Front w0.1: v1(65.5,38.06) 67.34,38.06 68.9,36.5 U1#3.7
  In2.Cu w0.1: v1(65.5,38.06) 65.44,38 61.67,38 60.21,39.46 57.31,39.46 v1(57.25,39.4)
  Back w0.127: v1(57.25,39.4) 57,39.4 56.4,38.8
Board_7-/CH5: length 18.6
  Front w0.1: v1(65.5,37.49) 67.11,37.49 68.5,36.1 U1#3.8
  In2.Cu w0.1: v1(65.5,37.49) 65.41,37.4 61.8,37.4 60.24,38.96 52.77,38.96 v1(52.45,39.28)
  Back w0.127: 52.39,38.97 52.45,39.03 v1(52.45,39.28)
Board_7-/CH6: length 22.1
  Front w0.1: v1(65.5,36.92) 66.98,36.92 68.1,35.8 U1#3.9
  In2.Cu w0.1: v1(65.5,36.92) 65.38,36.8 61.6,36.8 59.66,38.74 49.75,38.74 v1(49.12,39.37)
  Back w0.127: 48.4,38.6 49.12,39.32 v1(49.12,39.37)
Board_7-/CH7: length 25.2
  Front w0.1: v1(65.5,36.35) 66.85,36.35 67.7,35.5 U1#3.10
  In2.Cu w0.1: v1(65.5,36.35) 65.35,36.2 61.25,36.2 58.92,38.53 49.17,38.53 48.4,39.3 45.2,39.3 v1(45.07,39.17)
  Back w0.127: v1(45.07,39.17) 44.6,38.7
Board_7-/CH_REF: length 24.4
  Front w0.1: J1#8.16 60.75,28.85 61.45,29.55 v1(61.45,29.82) 61.45,30.52 60.61,31.37 60.61,34.21 60.75,34.36 J2#10.3 ; U1#3.1 70.8,32.22 70.8,30.11 70.11,29.42 v1(69.52,29.42)
  In2.Cu w0.1: v1(61.45,29.82) 62.19,29.08 69.18,29.08 v1(69.52,29.42)
Board_7-/cs_adc: length 19
  Front w0.1: R6#4.2 65.23,35.2 v1(65.4,35.03) ; v1(49.48,37.76) 48.85,38.39 U5#8.4
  In2.Cu w0.1: v1(65.4,35.03) 65.05,35.38 56.15,35.38 53.6,37.93 53.15,37.93 52.82,37.6 49.64,37.6 v1(49.48,37.76)
Board_7-/IRQ: length 20.4
  Front w0.1: J2#10.6 59.25,33.95 57.5,32.2 v1(57.5,31.4) 59.25,29.65 J1#8.13 ; v1(65.37,31.03) 64.9,31.5 R2#2.2
  In2.Cu w0.1: v1(65.37,31.03) 65.2,31.2 57.7,31.2 v1(57.5,31.4)
Board_7-/MCLK: length 20.6
  Front w0.1: v1(65.37,29.73) 65.61,29.49 R1#7.2 ; J1#8.12 58.75,29.15 v1(57.5,30.4) 57,30.9 57,32.24 58.75,33.99 J2#10.7